# Altium PCB SPEC-A7.PcbDoc (part 4 of 10)
Units mil, origin at the board's own origin, x right, y up, seen from the top; angles counter-clockwise.
Board outline 6299.21 x 3937.01 mil, 6 copper layers (Top Layer, L2, L3, L4, L5, Bottom Layer), stack 61.319 mil thick; 731 components, 479 nets, 2733 pads, 1703 vias.
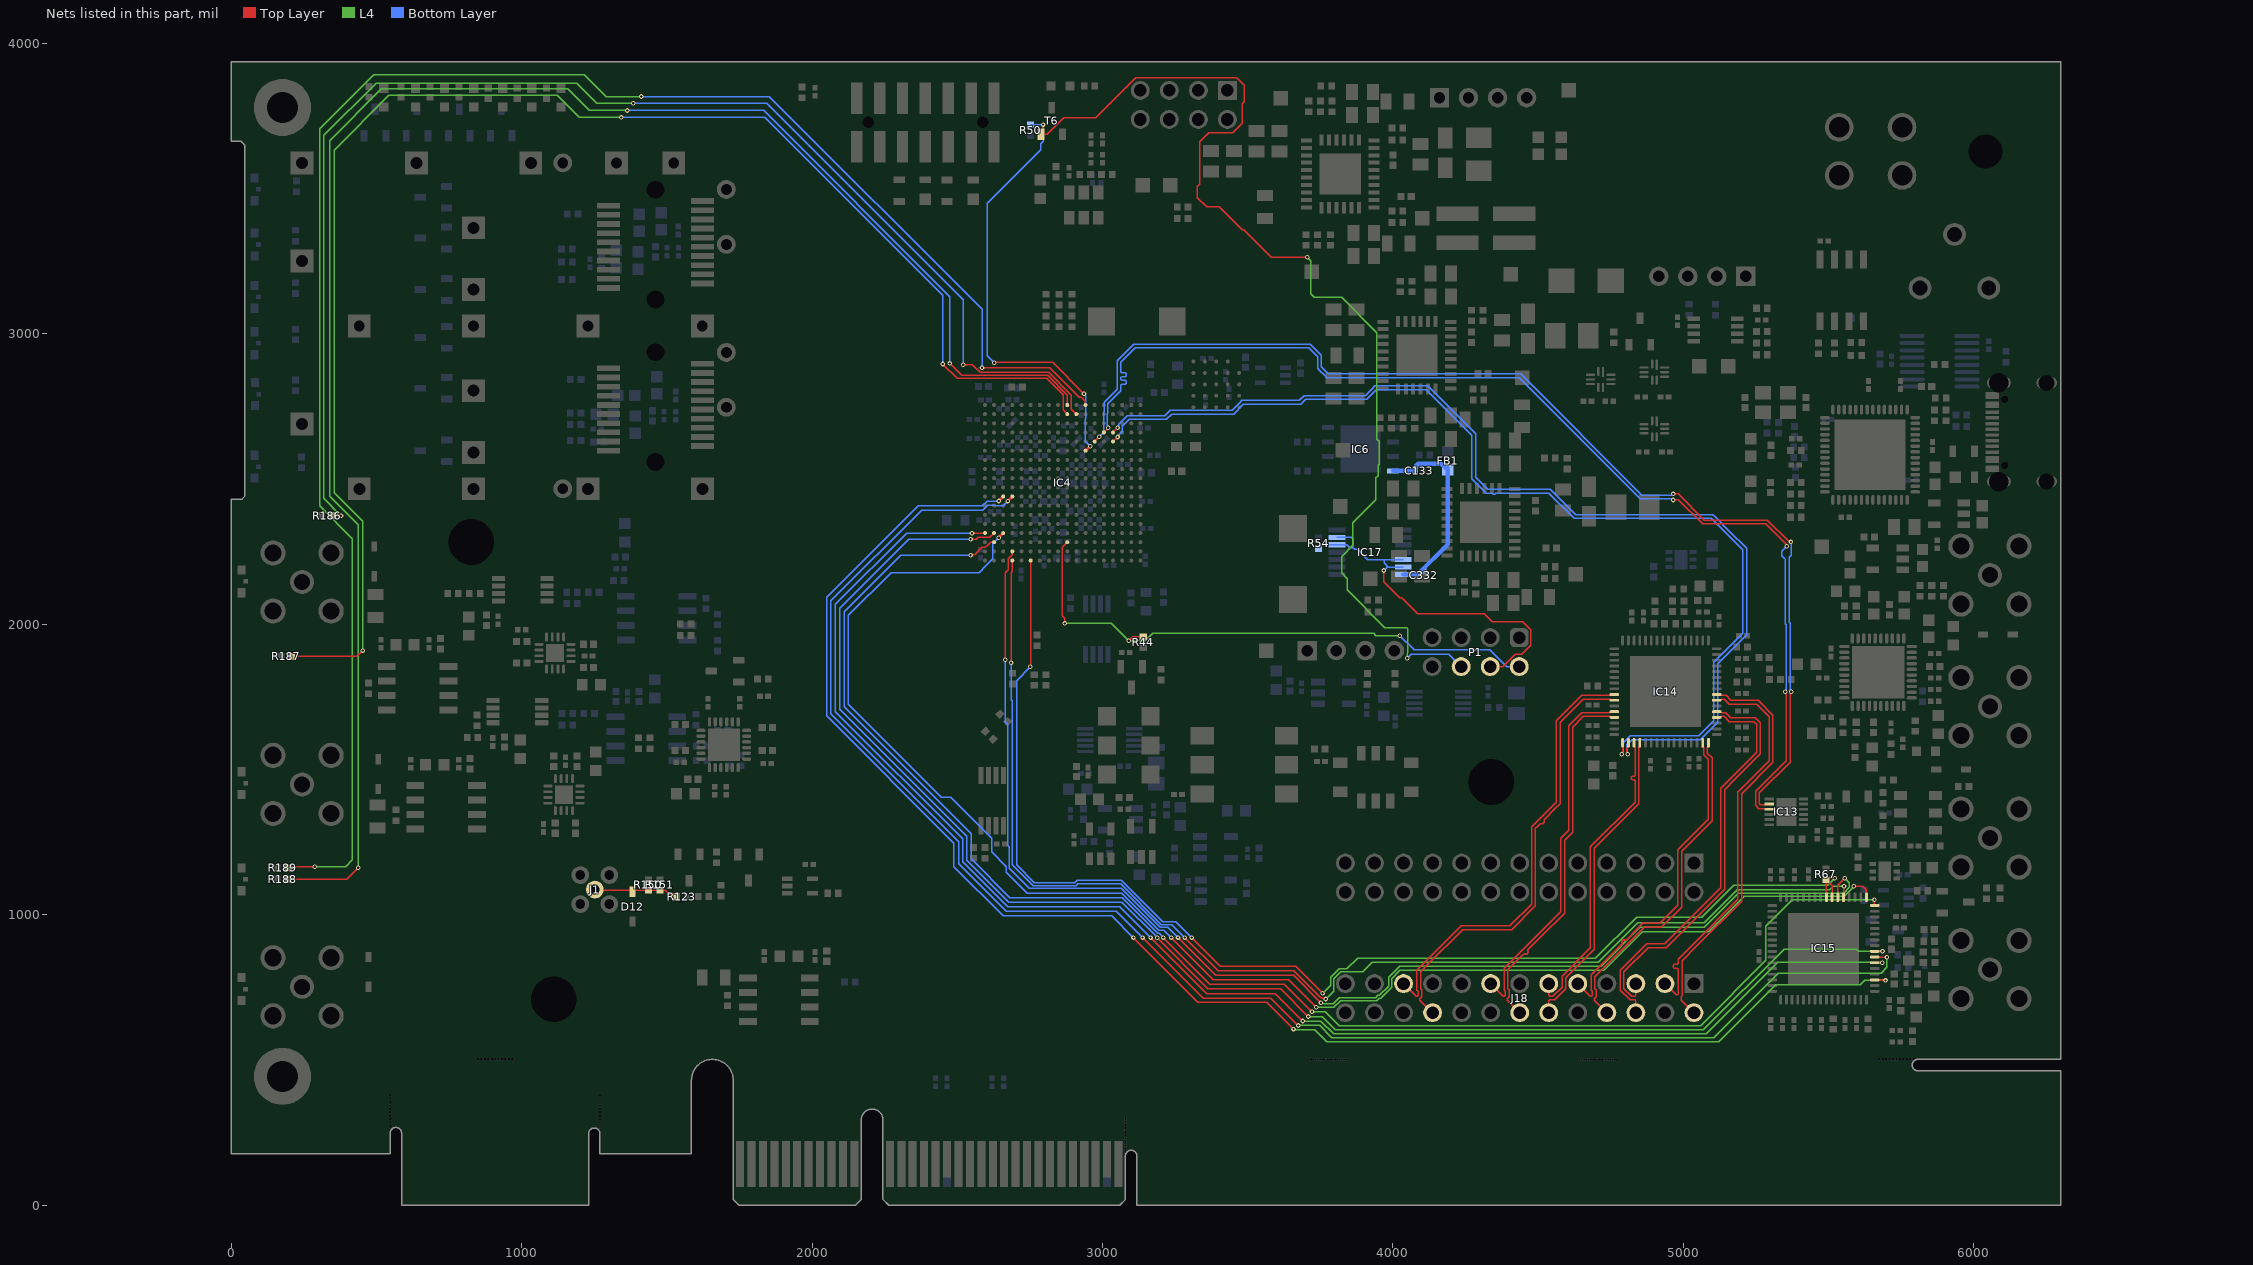
[diagram p8: the nets of this part, all layers, seen from the top]

## Via types
v1: diameter 15.75, hole 7.87, Top Layer to Bottom Layer, tented both sides, 1583 vias
v2: diameter 19.68, hole 7.87, Top Layer to Bottom Layer, tented both sides, 73 vias
v3: diameter 15.75, hole 7.87, Top Layer to Bottom Layer, 47 vias

## Nets (pads, with @x,y where several pads share a name; then routed paths per layer and width w, separated by ;. In a path a pad name is that pad's centre, name@x,y a point inside that pad or via, vN(x,y) a via of type N, cw(c..) or ccw(c..) an arc to the next point about the centre after c; other vN are vias at no path point) (continued)
EXT_CLK_0_N: IC14.55 J18.3 | length 1384.4
  Top Layer w5: J18.3@4936.26,762.98 4975.23,724.01 4979.37,724.01 4982.3,726.94 4982.3,810.98 4982.3,813.48 4979.37,816.41 4966.74,816.41 4964.17,818.99 4964.17,826.71 4966.74,829.28 4979.37,829.28 4982.3,832.21 4982.3,847.14 5037.14,901.98 5187.79,1052.63 5187.79,1422.7 5191.6,1426.51 5222.96,1457.87 5295.12,1530.03 5295.12,1681.65 5251.79,1724.98 5158,1724.98 5141.15,1741.83 5130.99,1741.83 5127.65,1738.49 IC14.55@5114.53,1738.49
EXT_CLK_0_P: IC14.56 J18.2 | length 1395.6
  Top Layer w5: J18.2@5036.26,662.98 4992.93,706.31 4992.93,719.19 4995.3,721.56 4995.3,810.98 4995.3,841.75 5046.33,892.79 5200.79,1047.24 5200.79,1417.32 5308.12,1524.65 5308.12,1687.03 5257.18,1737.98 5163.38,1737.98 5146.53,1754.83 5130.99,1754.83 5127.65,1758.17 IC14.56@5114.53,1758.17
EXT_CLK_1_N: IC14.52 J18.6 | length 1405.3
  Top Layer w5: J18.6@4836.26,662.98 4836.26,703.55 4833.33,706.48 4816.44,706.48 4782.3,740.62 4782.3,808.56 4873.54,899.8 4935.23,899.8 5128.73,1093.3 5128.73,1435.67 5164.17,1471.1 5171.78,1478.72 5251.89,1558.83 5251.89,1655.17 5242.09,1664.98 5158,1664.98 5140.2,1682.78 5130.99,1682.78 5127.65,1679.43 IC14.52@5114.53,1679.43
EXT_CLK_1_P: IC14.53 J18.5 | length 1405.3
  Top Layer w5: J18.5@4836.26,762.98 4836.26,722.41 4833.33,719.48 4821.83,719.48 4795.3,746.01 4795.3,803.17 4878.93,886.8 4940.62,886.8 5141.73,1087.91 5141.73,1430.28 5177.17,1465.72 5264.89,1553.45 5264.89,1660.55 5247.47,1677.98 5163.38,1677.98 5145.59,1695.78 5130.99,1695.78 5127.65,1699.12 IC14.53@5114.53,1699.12
EXT_CLK_4_N: IC14.25 J18.21 | length 1551.1
  Top Layer w5: J18.21@4036.26,762.98 4079.59,719.64 4083.74,719.64 4086.66,722.57 4086.66,736.26 4082.3,740.62 4082.3,809.34 4089.91,816.96 4109.05,836.09 4234.77,961.82 4402.76,961.82 4477.23,1036.28 4477.23,1302.7 4549.86,1375.33 4562.24,1387.72 4562.24,1667.72 4639.57,1745.05 4639.65,1745.05 4649.44,1754.83 4745.7,1754.83 4749.04,1758.17 IC14.25@4762.17,1758.17
EXT_CLK_4_P: IC14.26 J18.20 | length 1548.6
  Top Layer w5: J18.20@4136.26,662.98 4092.93,706.31 4092.93,710.45 4099.66,717.19 4099.66,741.64 4095.3,746.01 4095.3,803.96 4122.05,830.71 4240.16,948.82 4408.15,948.82 4490.23,1030.9 4490.23,1297.31 4496.06,1303.15 4506.93,1314.02 4511.08,1314.02 4512.39,1312.71 4516.03,1312.71 4521.49,1318.17 4521.49,1321.81 4520.18,1323.12 4520.18,1327.27 4559.06,1366.14 4575.24,1382.33 4575.24,1662.34 4644.95,1732.05 4645.03,1732.05 4654.82,1741.83 4745.7,1741.83 4749.04,1738.49 IC14.26@4762.17,1738.49
EXT_CLK_5_N: IC14.28 J18.15 | length 1269.2
  Top Layer w5: J18.15@4336.26,762.98 4379.59,719.64 4383.74,719.64 4386.66,722.57 4386.66,736.26 4382.3,740.62 4382.3,815.37 4389.91,822.98 4498.03,931.1 4577.55,1010.62 4577.55,1262.59 4605.11,1290.15 4605.11,1651.27 4649.62,1695.78 4709.7,1695.78 4745.7,1695.78 4749.04,1699.12 IC14.28@4762.17,1699.12
EXT_CLK_5_P: IC14.29 J18.14 | length 1266.7
  Top Layer w5: J18.14@4436.26,662.98 4392.93,706.31 4392.93,710.45 4399.66,717.19 4399.66,741.64 4395.3,746.01 4395.3,809.98 4440.29,854.98 4451.17,865.85 4455.31,865.85 4456.62,864.54 4460.26,864.54 4465.72,870 4465.72,873.64 4464.41,874.96 4464.41,879.1 4507.22,921.91 4590.55,1005.24 4590.55,1257.21 4618.11,1284.76 4618.11,1645.89 4655,1682.78 4715.08,1682.78 4745.7,1682.78 4749.04,1679.43 IC14.29@4762.17,1679.43
EXT_CLK_6_N: IC14.47 J18.9 | length 1158.3
  Top Layer w5: J18.9@4636.26,762.98 4679.59,719.64 4683.74,719.64 4686.66,722.57 4686.66,736.26 4682.3,740.62 4682.3,792.53 4689.91,800.15 4787.4,897.64 4789.17,899.41 4789.17,903.55 4787.86,904.86 4787.86,908.5 4793.32,913.96 4796.96,913.96 4798.27,912.65 4802.42,912.65 4843.31,953.54 4851.97,962.21 4859.59,969.82 4918.29,969.82 4980.31,1031.85 4980.31,1223.11 4987.93,1230.72 5085.5,1328.29 5085.5,1340.62 5085.5,1364 5085.5,1534.74 5069.64,1550.59 5069.64,1575.37 5066.3,1578.71 IC14.47@5066.3,1591.84
EXT_CLK_6_P: IC14.48 J18.8 | length 1160.8
  Top Layer w5: J18.8@4736.26,662.98 4692.93,706.31 4692.93,710.45 4699.66,717.19 4699.66,741.64 4695.3,746.01 4695.3,787.15 4864.97,956.82 4923.68,956.82 4993.31,1026.46 4993.31,1217.72 5098.5,1322.91 5098.5,1340.62 5098.5,1540.12 5082.64,1555.98 5082.64,1575.37 5085.98,1578.71 IC14.48@5085.98,1591.84
EXT_CLK_9_N: IC14.36 J18.12 | length 1068.6
  Top Layer w5: J18.12@4536.26,662.98 4536.26,703.55 4539.19,706.48 4556.08,706.48 4595.3,745.7 4595.3,783.08 4692.91,880.7 4692.91,1228.97 4846.42,1382.48 4846.42,1575.37 4849.76,1578.71 IC14.36@4849.76,1591.84
EXT_CLK_9_P: IC14.35 J18.11 | length 1066.7
  Top Layer w5: J18.11@4536.26,762.98 4536.26,722.41 4539.19,719.48 4550.69,719.48 4582.3,751.08 4582.3,788.47 4679.91,886.09 4679.91,1234.36 4833.42,1387.86 4833.42,1413.78 4833.42,1461.67 4830.49,1464.6 4822.95,1464.6 4820.37,1467.18 4820.37,1474.9 4822.95,1477.48 4830.49,1477.48 4833.42,1480.41 4833.42,1495.78 4833.42,1575.37 4830.08,1578.71 IC14.35@4830.08,1591.84
EXT_CLK_N: IC4.D14 IC13.9 | length 3944
  Top Layer w5: IC4.D14@3004.49,2660.46 3004.49,2661 3019.15,2675.66 v1(3019.15,2676.21) ; v1(4964.57,2428.01) 4965.94,2429.38 4982.44,2429.38 5065.96,2345.86 5283.82,2345.86 5353.35,2276.33 5353.35,2270.85 v1(5355.41,2268.79) ; IC13.9@5295.28,1363.19 5292.92,1365.55 5259.67,1365.55 5248.82,1376.4 5248.82,1424.68 5354.33,1530.2 v1@5354.33,1763.78
  Bottom Layer w5: v1(3019.15,2676.21) 3018.18,2677.17 3018.18,2683.13 3016.8,2684.51 3016.8,2725.63 3018.18,2727 3018.18,2759.29 3063,2804.12 3063,2808.74 3063,2824.11 3065.93,2827.04 3078.45,2827.04 3081.02,2829.62 3081.02,2837.34 3078.45,2839.91 3065.57,2839.91 3063,2842.49 3063,2850.21 3065.57,2852.79 3078.21,2852.79 3080.78,2855.36 3080.78,2863.09 3078.21,2865.66 3065.93,2865.66 3063,2868.59 3063,2888.7 3063,2901.58 3112.89,2951.47 3709.95,2951.47 3740.16,2921.26 3740.16,2880.76 3747.77,2873.14 3764.23,2856.69 3771.84,2849.08 4434.39,2849.08 4851.58,2431.88 v1@4960.63,2431.88 ; v1(5350.46,1767.72) 5350.46,1770.63 5354.33,1774.5 5354.33,1998.86 5351.28,2001.92 5351.28,2224.23 5348.35,2227.16 5347.87,2227.16 5338.87,2236.17 5338.87,2252.25 v1(5355.41,2268.79)
EXT_CLK_P: IC4.E13 IC13.8 | length 3940.4
  Top Layer w5: IC4.E13@2972.99,2628.96 2972.99,2629.46 2988.79,2645.25 v1(2988.79,2645.75) ; v1(4964.57,2448.76) 4981.45,2448.76 5071.35,2358.86 5289.2,2358.86 5362.54,2285.52 5368.02,2285.52 v1(5370.08,2283.46) ; IC13.8@5295.28,1380.91 5292.92,1378.55 5265.05,1378.55 5261.82,1381.78 5261.82,1419.3 5367.33,1524.81 v1@5367.33,1763.78
  Bottom Layer w5: v1(2988.79,2645.75) 3003.8,2660.77 3003.8,2668.02 ; 3003.77,2668.04 3003.77,2684.37 ; 3003.8,2684.39 3003.8,2731.01 3005.18,2732.39 3005.18,2764.68 3050,2809.5 3050,2906.97 3107.5,2964.47 3715.33,2964.47 3753.16,2926.64 3753.16,2886.14 3777.23,2862.08 4439.77,2862.08 4856.97,2444.88 v1@4960.63,2444.88 ; v1(5370.08,2283.46) 5370.78,2282.76 5370.78,2237.34 5364.28,2230.83 5364.28,2007.3 5367.33,2004.25 5367.33,1774.5 5371.2,1770.63 v1(5371.2,1767.72)
EXT_PLL_CS: IC4.R3 IC15.17 | length 5187.2
  Top Layer w5: v1(3236.22,921.26) 3381.89,775.59 3641.73,775.59 v1(3736.22,681.1) ; v1(5586.61,1098.43) 5618.11,1098.43 5629.92,1086.61 IC15.17@5629.92,1060.04
  Top Layer w10: v1(2642.28,2298.25) IC4.R3@2658.03,2314
  L4 w5: v1(3736.22,681.1) 3796.45,681.1 3819.29,703.94 3944.1,703.94 3952.17,712.01 3957.37,712.01 3995.3,749.94 3995.3,779.95 4024.03,808.68 4726,808.68 4858.27,940.94 5086.61,940.94 5208.66,1062.99 5553.69,1062.99 5586.61,1095.92 v1(5586.61,1098.43)
  Bottom Layer w5: v1(2642.28,2298.25) 2622.08,2278.05 2622.08,2225.06 2598.66,2201.64 2598.66,2201.4 2575.25,2177.98 2272.47,2177.98 2125,2030.51 2125,1724.84 2444.59,1405.25 2476.67,1405.25 2618.11,1263.81 2618.11,1216.61 2668.84,1165.88 2668.84,1146.12 2740.16,1074.8 3065.48,1074.8 3194.02,946.26 3211.22,946.26 v1(3236.22,921.26)
EXT_PLL_LOCK: IC4.L3 IC15.3 | length 5443.3
  Top Layer w5: v1(3106.3,921.26) 3328.34,699.22 3564.56,699.22 v1(3657.48,606.3) ; IC15.3@5658.46,775.59 5659.35,774.7 5694.74,774.7 v1(5695.63,773.82)
  Top Layer w10: v1(2642.28,2424.41) 2642.37,2424.41 2657.94,2439.99 IC4.L3@2658.03,2439.99
  L4 w5: v1(3657.48,606.3) 3659.54,604.24 3666.84,604.24 3667.71,603.37 3731.27,603.37 3771.65,562.99 5122.05,562.99 5317.3,758.25 5608.64,758.25 5624.21,773.82 v1(5695.63,773.82)
  Bottom Layer w5: v1(2642.28,2424.41) 2642.11,2424.24 2602.54,2424.24 2586.28,2407.98 2364.67,2407.98 2050,2093.31 2050,1685.05 2488.19,1246.86 2488.19,1165.35 2657.48,996.06 3031.5,996.06 v1(3106.3,921.26)
EXT_PLL_REFSEL: IC4.L4 IC15.7 | length 5483.2
  Top Layer w5: v1(3137.8,921.26) 3346.5,712.56 3578.78,712.56 3672.59,618.75 v1(3674.08,618.75) ; IC15.7@5658.46,854.33 5658.72,854.07 5700.37,854.07 v1(5700.63,853.82)
  Top Layer w10: v1(2673.78,2424.24) IC4.L4@2689.53,2439.99
  L4 w5: v1(3674.08,618.75) 3747.39,618.75 3789.89,576.25 5103.81,576.25 5326.77,799.21 5681.1,799.21 5700.63,818.74 v1(5700.63,853.82)
  Bottom Layer w5: v1(2673.78,2424.24) 2657.52,2407.98 2631.35,2407.98 2630.15,2409.18 2603.98,2409.18 2587.78,2392.98 2377.23,2392.98 2065,2080.75 2065,1691.99 2505.03,1251.97 2505.03,1176.08 2669.29,1011.81 3047.24,1011.81 v1(3137.8,921.26)
EXT_PLL_SCLK: IC4.T2 IC15.16 | length 5264.4
  Top Layer w5: v1(2545.69,2237.98) 2547.75,2240.03 2559.28,2240.03 2584.64,2265.4 2597.59,2265.4 2600.3,2268.12 2601,2268.12 2615.39,2282.51 IC4.T2@2626.54,2282.51 ; v1(3208.66,921.26) 3369.69,760.23 3625.6,760.23 3719.62,666.2 v1(3721.11,666.2) ; v1(5657.48,1051.18) 5657.48,1032.48 IC15.16@5658.46,1031.5
  L4 w5: v1(3721.11,666.2) 3721.59,665.73 3767.34,665.73 3814.96,618.11 5059.06,618.11 5283.46,842.52 5283.46,960.63 5374.02,1051.18 v1(5657.48,1051.18)
  Bottom Layer w5: v1(2545.69,2237.98) 2304.91,2237.98 2110,2043.07 2110,1716.77 2547.24,1279.53 2547.24,1192.91 2681.1,1059.06 3067.08,1059.06 3189.88,936.26 3194.38,936.26 3208.66,921.98 v1(3208.66,921.26)
EXT_PLL_SDI: IC4.U4 IC15.22 | length 4489.8
  Top Layer w5: v1(2665,1878.17) 2665,2177.47 2675.14,2187.6 2675.14,2225.47 2689.53,2239.86 IC4.U4@2689.53,2251.01 ; v1(3259.84,921.26) 3389.76,791.34 3657.48,791.34 3751.9,696.92 v1(3751.9,696.79) ; IC15.22@5531.5,1060.04 5531.5,1102.36 v1(5555.12,1125.98)
  L4 w5: v1(3751.9,696.79) 3753.95,694.74 3761.39,694.74 3761.49,694.64 3762.2,693.93 3795.13,693.93 3815.15,713.94 3939.96,713.94 3948.03,722.01 3953.23,722.01 3985.3,754.08 3985.3,784.09 4023.97,822.76 4716.46,822.76 4850.39,956.69 5070.87,956.69 5188.98,1074.8 5551.36,1074.8 5570.87,1094.31 5570.87,1110.24 v1(5555.12,1125.98)
  Bottom Layer w5: v1(2665,1878.17) 2665,1664.07 2673.76,1655.31 2673.76,1238.52 2679.15,1233.13 2679.15,1220.39 2678.84,1220.07 2678.84,1159.74 2748.03,1090.55 3063.87,1090.55 3198.16,956.26 3224.84,956.26 v1(3259.84,921.26)
EXT_PLL_SDO: IC4.V4 IC15.21 | length 4335.1
  Top Layer w5: v1(2685,1867.98) 2685,2177.98 2689.53,2182.51 IC4.V4@2689.53,2219.51 ; v1(3283.46,921.26) 3397.64,807.09 3658.6,807.09 3751.13,714.56 3755.87,714.56 3758.54,711.89 3765.98,711.89 v1(3768.04,709.83) ; IC15.21@5551.18,1060.04 5551.95,1060.81 5551.95,1097.14 v1(5552.71,1097.9)
  L4 w5: v1(3768.04,709.83) 3795.3,737.09 3795.3,779.95 3819.29,803.94 3895.97,803.94 3929.13,837.11 4707.18,837.11 4842.52,972.44 5070.87,972.44 5185.04,1086.61 5503.94,1086.61 5515.23,1097.9 v1(5552.71,1097.9)
  Bottom Layer w5: v1(2685,1867.98) 2685,1740.36 2688.84,1736.52 2688.84,1237.58 2689.15,1237.27 2689.15,1216.25 2688.84,1215.93 2688.84,1172.91 2761.14,1100.61 2908.86,1100.61 2914.55,1106.3 3062.27,1106.3 3202.3,966.26 3238.46,966.26 v1(3283.46,921.26)
EXT_PLL_STAT: IC4.R1 IC15.6 | length 5225.2
  Top Layer w5: v1(2550.51,2313.49) 2568.97,2313.49 2569.85,2312.6 2593.64,2312.6 IC4.R1@2595.04,2314 ; v1(3165.35,921.26) 3358.27,728.35 3594.49,728.35 3688.71,634.12 v1(3688.98,634.12) ; IC15.6@5658.46,834.65 v1(5684.74,834.71)
  L4 w5: v1(3688.98,634.12) 3689.24,633.86 3751.97,633.86 3795.28,590.55 5078.74,590.55 5324.43,836.24 5683.21,836.24 v1(5684.74,834.71)
  Bottom Layer w5: v1(2550.51,2313.49) 2325.3,2313.49 2080,2068.19 2080,1699.53 2518.66,1260.87 2518.66,1182.13 2673.23,1027.56 3059.06,1027.56 v1(3165.35,921.26)
EXT_PLL_SYNC: IC4.R2 IC15.8 | length 5229.1
  Top Layer w5: v1(2545.69,2292.98) 2565.73,2292.98 2572.36,2299.61 2612.15,2299.61 IC4.R2@2626.54,2314 ; v1(3187.88,921.02) 3187.88,920.3 3362.99,745.19 3613.08,745.19 v1(3708.66,649.61) ; IC15.8@5658.46,874.02 v1(5685.43,874.02)
  L4 w5: v1(3708.66,649.61) 3755.91,649.61 3801.86,603.66 5068.22,603.66 5346.46,881.89 5595.39,881.89 5603.27,874.02 v1(5685.43,874.02)
  Bottom Layer w5: v1(2545.69,2292.98) 2332.35,2292.98 2095,2055.63 2095,1708.15 2532.71,1270.44 2532.71,1187.76 2677.17,1043.31 3066.93,1043.31 3187.88,922.35 v1(3187.88,921.02)
EXT_RESET: IC4.V6 IC15.23 IC15.24 R67.2 | length 4412.4
  Top Layer w5: v1(2751.57,1853.47) 2752.04,1853.94 2752.04,2219.04 IC4.V6@2752.52,2219.51 ; v1(3307.09,921.26) 3405.51,822.83 3664.6,822.83 v1(3757.5,729.94) ; IC15.24@5492.13,1060.04 R67.2@5492.13,1118.82 ; IC15.23@5511.81,1060.04 5511.81,1099.92 5491.42,1120.32 5496.79,1125.68 v1(5520.84,1125.68)
  L4 w5: v1(3757.5,729.94) 3785.3,757.74 3785.3,784.09 3815.15,813.94 3841.5,813.94 3877.95,850.39 4696.85,850.39 4838.58,992.13 5062.99,992.13 5173.23,1102.36 5497.52,1102.36 v1(5520.84,1125.68)
  Bottom Layer w5: v1(2751.57,1853.47) 2703.91,1805.8 2703.91,1171.98 2765.28,1110.61 2904.71,1110.61 2912.16,1118.05 3064.66,1118.05 3206.45,976.26 3252.09,976.26 v1(3307.09,921.26)
EXT_TOD_IN: D12.1 J1.1 R123.1 R150.2 R151.2 | length 291.1
  Top Layer w6: J1.1@1251.97,1086.61 1254.58,1084 R150.2@1436.14,1084 R151.2@1476.14,1084 1494.65,1084 1506.94,1071.71 1524.22,1071.71 1532.64,1063.29 R123.1@1532.64,1062.51
FLASH_UP_EN: IC17.5 IC17.6 IC17.12 IC17.13 P1.4 R54.2 | length 1346
  Top Layer w5: v3(3968.5,2185.04) 3968.5,2146.1 4023.84,2090.77 4030.12,2090.77 4085.46,2035.43 4314.96,2035.43 4342.48,2007.92 4447.11,2007.92 4474.63,1980.4 4474.63,1928.26 4443.4,1897.03 4420.8,1897.03 4378.11,1854.33 P1.4@4334.65,1854.33
  Bottom Layer w5: R54.2@3744.09,2261.02 3744.88,2261.02 3757.48,2273.62 IC17.5@3807.09,2273.62 3840.55,2273.62 3850.39,2263.78 3862.2,2263.78 ; IC17.6@3807.09,2299.21 3858.27,2299.21 3862.2,2295.28 3862.2,2263.78 ; v3(3968.5,2185.04) 3980.31,2196.85 3984.25,2196.85 ; IC17.13@4035.43,2196.85 3984.25,2196.85 ; IC17.12@4035.43,2222.44 3969.49,2222.44 ; 3862.2,2263.78 3867.95,2258.03 3878.16,2258.03 3913.75,2222.44 3969.49,2222.44 ; 3969.49,2222.44 3969.49,2211.61 3984.25,2196.85
FLASH_VCC: C133.2 C332.1 FB1.2 IC6.8 IC17.14 | length 663
  Bottom Layer w15: IC6.8@4000.55,2528.02 C133.2@4076.22,2527.98 C133.2@4076.22,2527.98 4077.01,2527.98 4078.37,2529.34 4078.37,2544.19 4087.16,2552.98 4166.39,2552.98 4179.99,2539.37 FB1.2@4186.34,2539.37 ; IC17.14@4035.43,2171.26 4084.65,2171.26 4189.06,2275.67 FB1.2@4189.06,2531.29
FP_LED0: IC4.B11 R186.2 | length 4659.3
  Top Layer w5: R186.2@349.21,2374.02 v1(377.95,2374.02) ; v1(2520,2894) 2552.26,2894 2578.63,2867.63 2814.37,2867.63 2892.89,2789.11 2892.89,2740.56 IC4.B11@2910,2723.45
  L4 w5: v1(377.95,2374.02) 318.9,2433.07 318.9,3682.9 499,3863 1190,3863 1259,3794 v1(1384,3794)
  Bottom Layer w5: v1(1384,3794) 1843.8,3794 2520,3117.8 v1(2520,2894)
FP_LED1: IC4.B10 R187.2 | length 5241.8
  Top Layer w5: R187.2@208.66,1889.76 433.07,1889.76 v1(452.76,1909.45) ; v1(2450,2896) 2499.36,2846.64 2807.07,2846.64 2864.11,2789.6 2864.11,2737.84 IC4.B10@2878.5,2723.45
  L4 w5: v1(452.76,1909.45) 452.76,2354.33 354.33,2452.76 354.33,3632.33 543,3821 1123,3821 1199,3745 v1(1343,3745)
  Bottom Layer w5: v1(1343,3745) 1837.68,3745 2450,3132.68 v1(2450,2896)
FP_LED2: IC4.A10 R188.2 | length 6022.6
  Top Layer w5: R188.2@195.67,1122.05 397.64,1122.05 v1(437.01,1161.42) ; v1(2474,2898) 2515.36,2856.64 2811.22,2856.64 2878.5,2789.35 IC4.A10@2878.5,2754.95
  L4 w5: v1(437.01,1161.42) 437.01,2342.52 338.58,2440.94 338.58,3665.58 517,3844 1158,3844 1233,3769 v1(1364,3769)
  Bottom Layer w5: v1(1364,3769) 1833.36,3769 2474,3128.36 v1(2474,2898)
FP_LED3: IC4.A12 R189.2 | length 6106
  Top Layer w5: R189.2@195.67,1161.42 199.61,1165.35 v1(287.4,1165.35) ; v1(2585,2883) 2819,2883 2920,2782 2926.33,2782 2939.82,2768.51 2939.82,2756.63 IC4.A12@2941.5,2754.95
  L4 w5: v1(287.4,1165.35) 393.7,1165.35 417.32,1188.98 417.32,2295.28 304.96,2407.64 304.96,3705.96 491,3892 1216,3892 1291,3817 v1(1412,3817)
  Bottom Layer w5: v1(1412,3817) 1852.29,3817 2585,3084.29 v1(2585,2883)
FPGA_DONE: IC4.F12 P1.6 R50.1 T6.1 | length 5272.6
  Top Layer w5: v1(2627,2900) 2629,2902 2828.07,2902 v1(2936.05,2794.02) ; v1(2795.28,3720.47) T6.1@2795.28,3695.38 ; v3(3704.72,3263.78) 3581.44,3263.78 3486.95,3358.27 3480.32,3358.27 3401.57,3437.01 3358.27,3437.01 3326.77,3468.5 3326.77,3507.87 3334.65,3515.75 3334.65,3661.42 3366.14,3692.91 3448.82,3692.91 3480.32,3724.41 3480.32,3791.34 3488.19,3799.21 3488.19,3855.36 3461.66,3881.89 3114.17,3881.89 2976.38,3744.09 2866.14,3744.09 2809.75,3687.7 T6.1@2791.5,3687.7 ; T6.1@2791.5,3687.7 2791.5,3683.8 T6.1@2787.6,3687.7 T6.1@2795.28,3695.38 ; T6.1@2791.5,3687.7 2795.28,3691.48 T6.1@2795.28,3695.38
  Top Layer w10: IC4.F12@2941.5,2597.47 v1(2957.24,2613.21)
  L4 w5: v3(3704.72,3263.78) 3716.54,3251.97 3716.54,3137.8 3728.35,3125.98 3822.83,3125.98 3944.88,3003.94 3944.88,2637.8 3952.76,2629.92 3952.76,2551.18 3948.82,2547.24 3948.82,2511.81 3940.94,2503.94 3940.94,2429.13 3862.2,2350.39 3862.2,2271.65 3822.83,2232.28 3822.83,2177.17 3842.52,2157.48 3842.52,2118.11 3972.44,1988.19 4048.25,1988.19 4051.18,1985.26 4051.18,1901.25 4048.73,1898.8 v3(4048.73,1883.37)
  Bottom Layer w5: v1(2627,2900) 2603,2924 2603,3449.46 2786.97,3633.43 2786.97,3655.13 2795.28,3663.44 v1(2795.28,3720.47) 2753.15,3720.47 R50.1@2751.97,3719.29 ; v1(2936.05,2794.02) 2936.05,2791.93 2942.19,2785.79 2942.19,2707.11 2940.81,2705.73 2940.81,2669.4 2941.18,2669.02 2941.18,2643.8 2941.22,2637.56 2939.63,2635.97 2939.63,2630.6 2957.02,2613.21 v1(2957.24,2613.21) ; v3(4048.73,1883.37) 4062.99,1897.64 4191.34,1897.64 P1.6@4234.65,1854.33
FPGA_GCLK_N: IC4.D15 IC14.34 | length 3617.1
  Top Layer w5: IC4.D15@3035.98,2660.46 v1(3051.73,2676.21) ; v1@4804.53,1559.66 4804.53,1572.85 4810.39,1578.71 IC14.34@4810.39,1591.84
  Bottom Layer w5: v1(3051.73,2676.21) 3053.79,2678.26 3053.79,2683.13 3055.17,2684.51 3055.17,2687.89 3071.98,2704.7 3084.45,2717.17 3085.8,2718.53 3214.78,2718.53 3233.11,2736.86 3446.09,2736.86 3471.56,2762.33 3475.37,2766.14 3479.76,2770.53 3677.17,2770.53 3694.01,2787.37 3904.4,2787.37 3930.08,2813.05 3937.69,2820.67 4119.47,2820.67 4284.65,2655.49 4284.65,2506.69 4295.28,2496.06 4326.77,2464.57 4542.01,2464.57 4628.62,2377.95 5101.06,2377.95 5108.68,2370.34 5161.68,2317.34 5213.92,2265.1 5217.72,2261.29 5217.72,1963.12 5118.11,1863.51 5118.11,1662.72 5058.37,1602.98 4822.93,1602.98 4804.53,1584.58 v1@4804.53,1559.66
  other v1: 4808.41,1552.88
FPGA_GCLK_P: IC4.E15 IC14.33 | length 3611.8
  Top Layer w5: IC4.E15@3035.98,2628.96 v1(3051.73,2644.71) ; IC14.33@4790.71,1591.84 4791.53,1591.01 v1@4791.53,1559.66
  Bottom Layer w5: v1(3051.73,2644.71) 3051.73,2647.41 3068.17,2663.84 3068.17,2682.51 3077.36,2691.7 3089.83,2704.17 3091.19,2705.53 3220.17,2705.53 3238.5,2723.86 3451.47,2723.86 3485.15,2757.53 3682.56,2757.53 3699.4,2774.37 3909.78,2774.37 3943.08,2807.67 4114.09,2807.67 4271.65,2650.1 4271.65,2501.3 4290.68,2482.27 4321.39,2451.57 4340.74,2451.57 4344.31,2448 4350.43,2448 4354,2451.57 4536.62,2451.57 4559.06,2429.13 4623.24,2364.95 5095.68,2364.95 5204.72,2255.91 5204.72,1968.5 5105.11,1868.89 5105.11,1668.1 5052.99,1615.98 4817.54,1615.98 4791.53,1589.97 v1@4791.53,1559.66
  other v1: 4787.66,1552.88
FPGA_INIT_B: IC4.T10 P1.2 R44.1 | length 1993.1
  Top Layer w5: v1(2870,2002.98) 2870,2021.24 2861.4,2029.84 2861.4,2265.4 IC4.T10@2878.5,2282.51 ; v1(3090,1942.98) 3103.5,1956.48 R44.1@3140,1956.48
  L4 w5: v1(2870,2002.98) 3030,2002.98 v1(3090,1942.98) 3147.7,1942.98 3173.23,1968.5 3933.07,1968.5 3940.94,1960.63 v3(4023.62,1960.63)
  Bottom Layer w5: v3(4023.62,1960.63) 4072.56,1911.7 4333.82,1911.7 4391.19,1854.33 P1.2@4434.65,1854.33